# Altium PCB Main_Board.PcbDoc
Units mm, origin at the board's own origin, x right, y up, seen from the top; angles counter-clockwise.
Board outline 62 x 62 mm, 2 copper layers (Top Layer, Bottom Layer), stack 1.579 mm thick; 83 components, 60 nets, 316 pads, 54 vias.
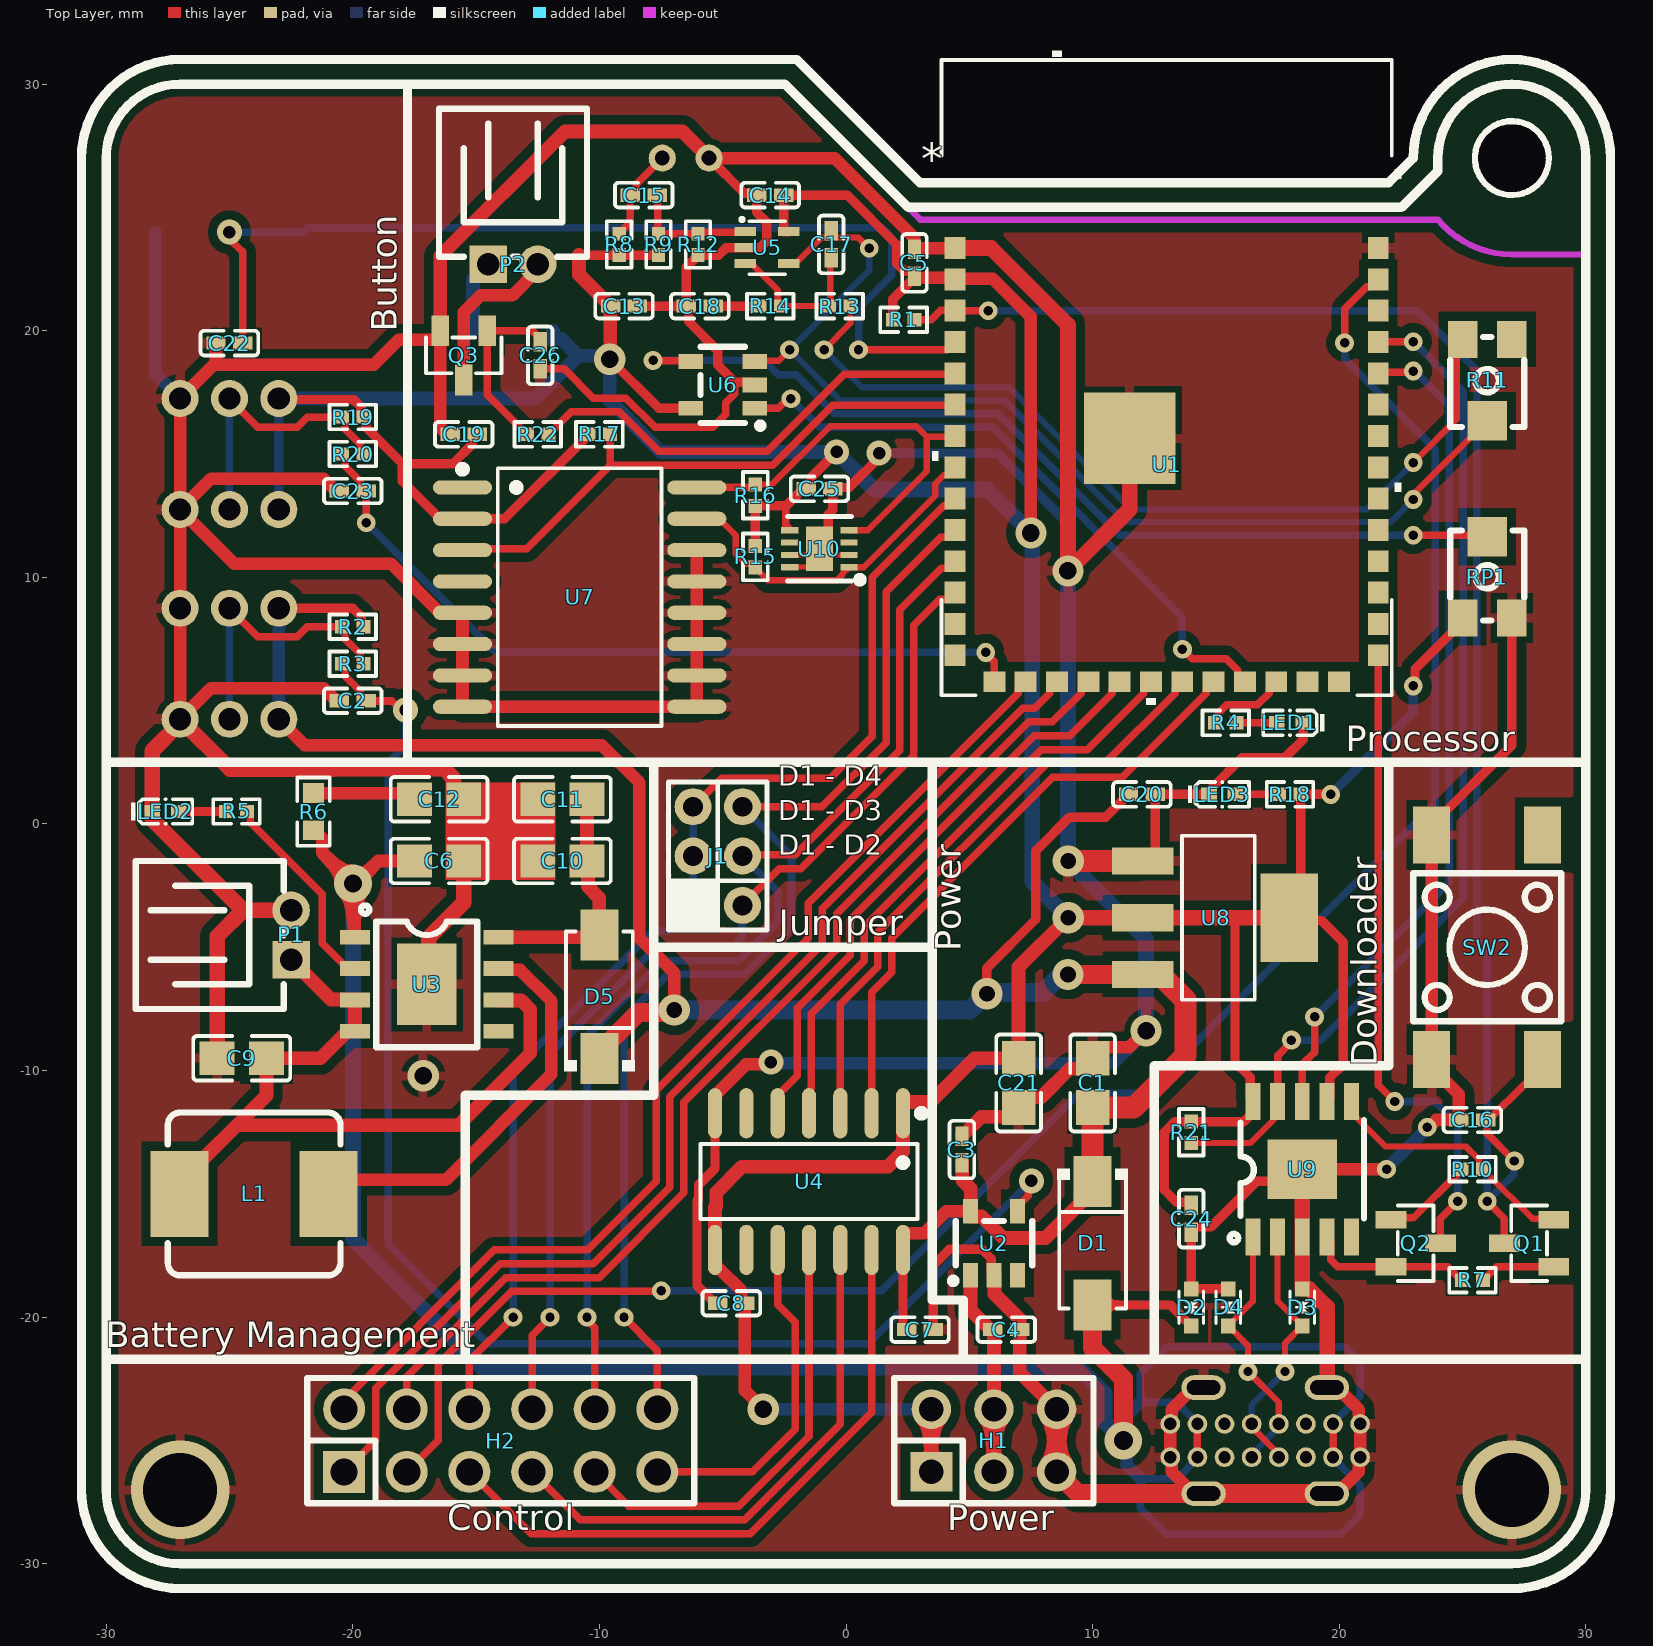
[diagram p0: Top Layer view]
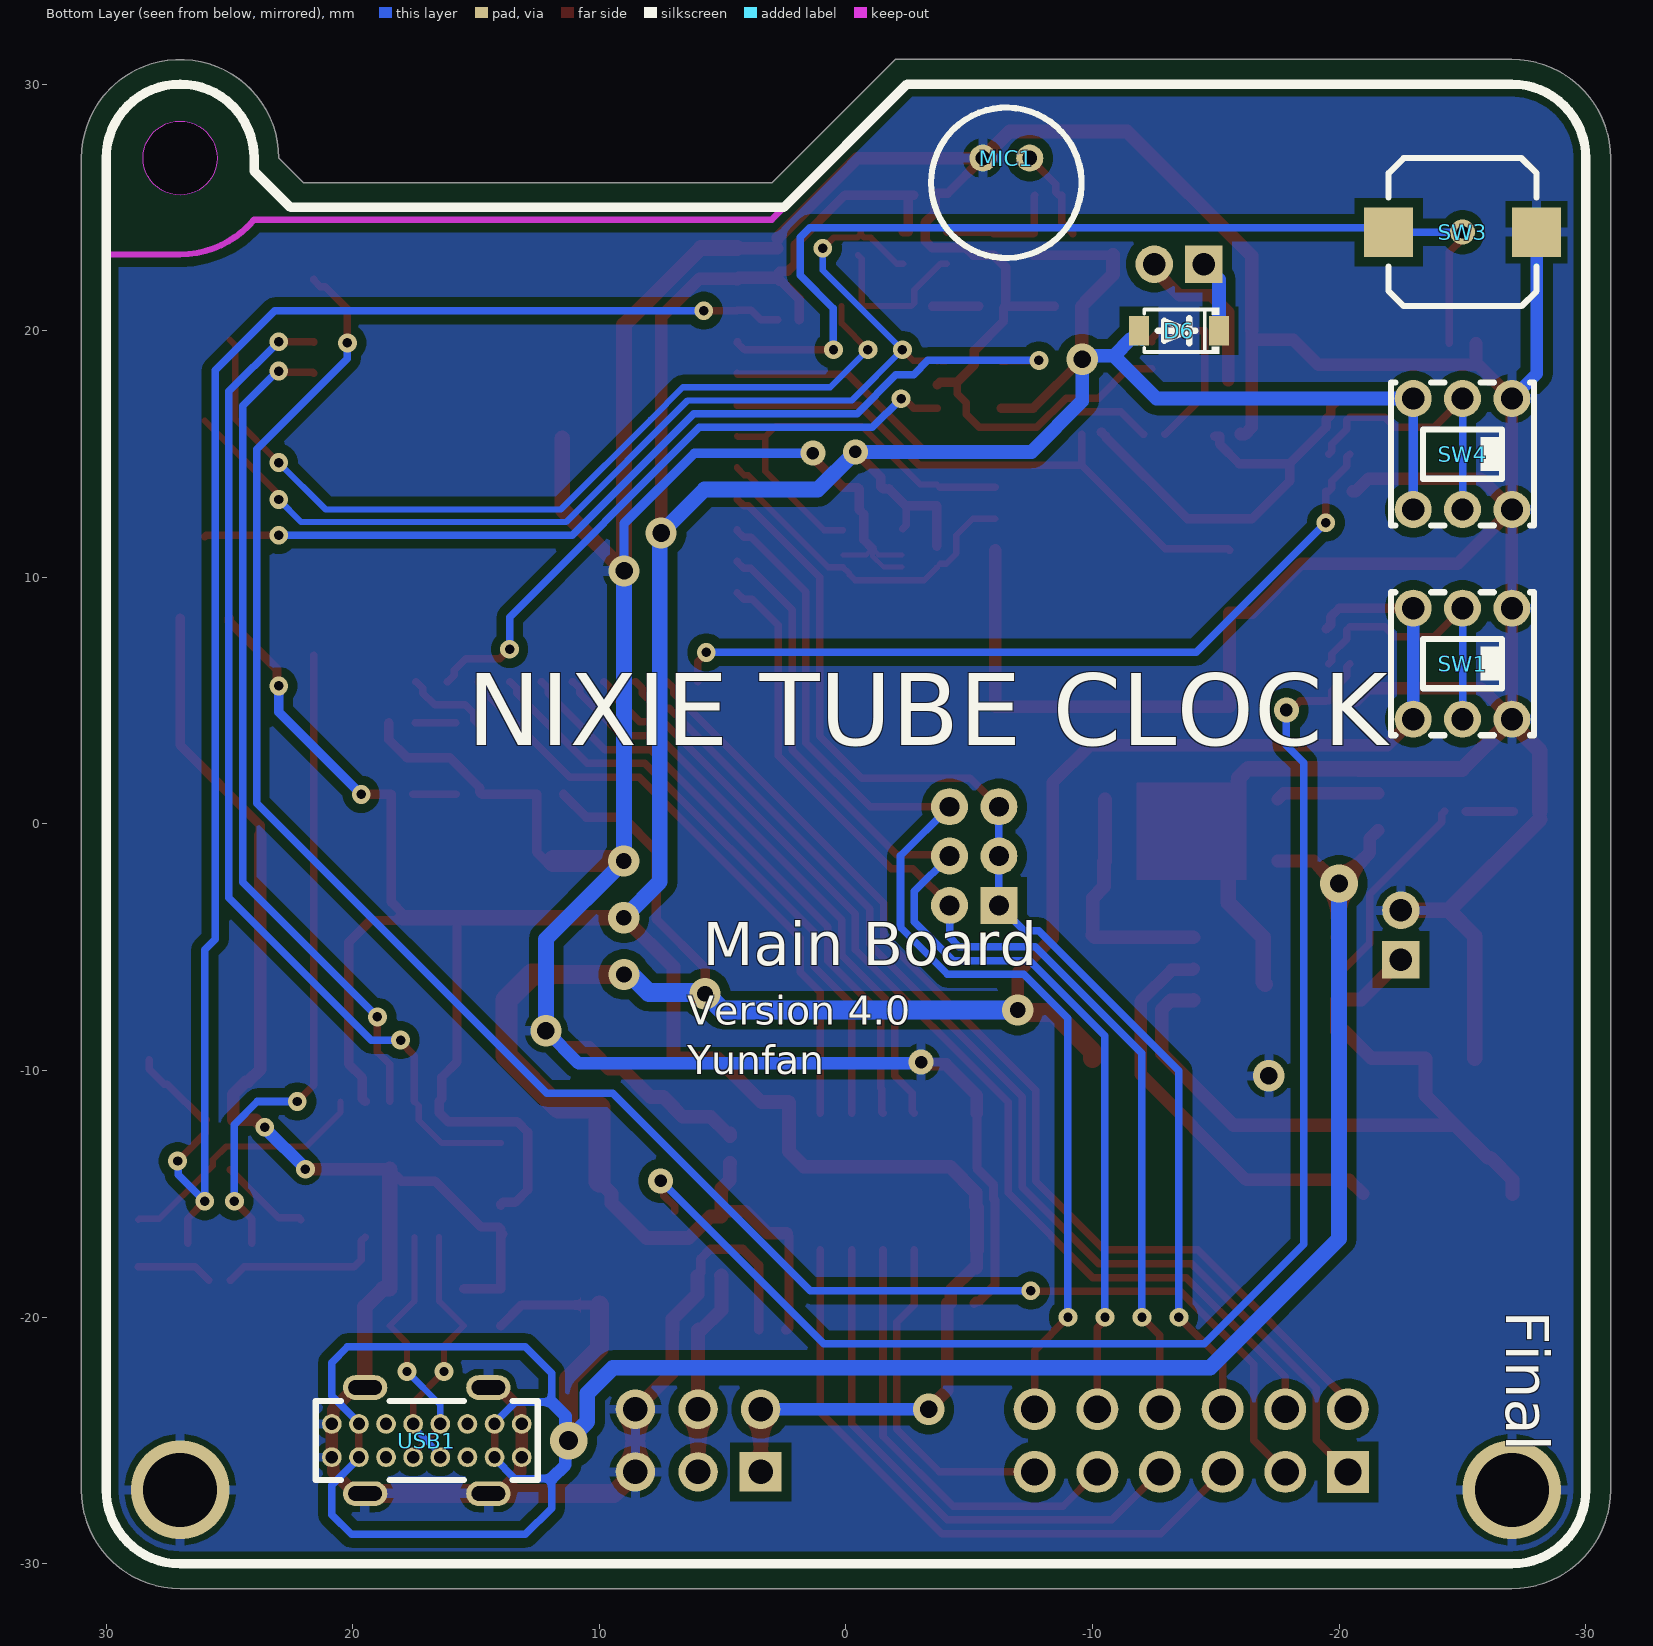
[diagram p1: Bottom Layer view, seen from below]
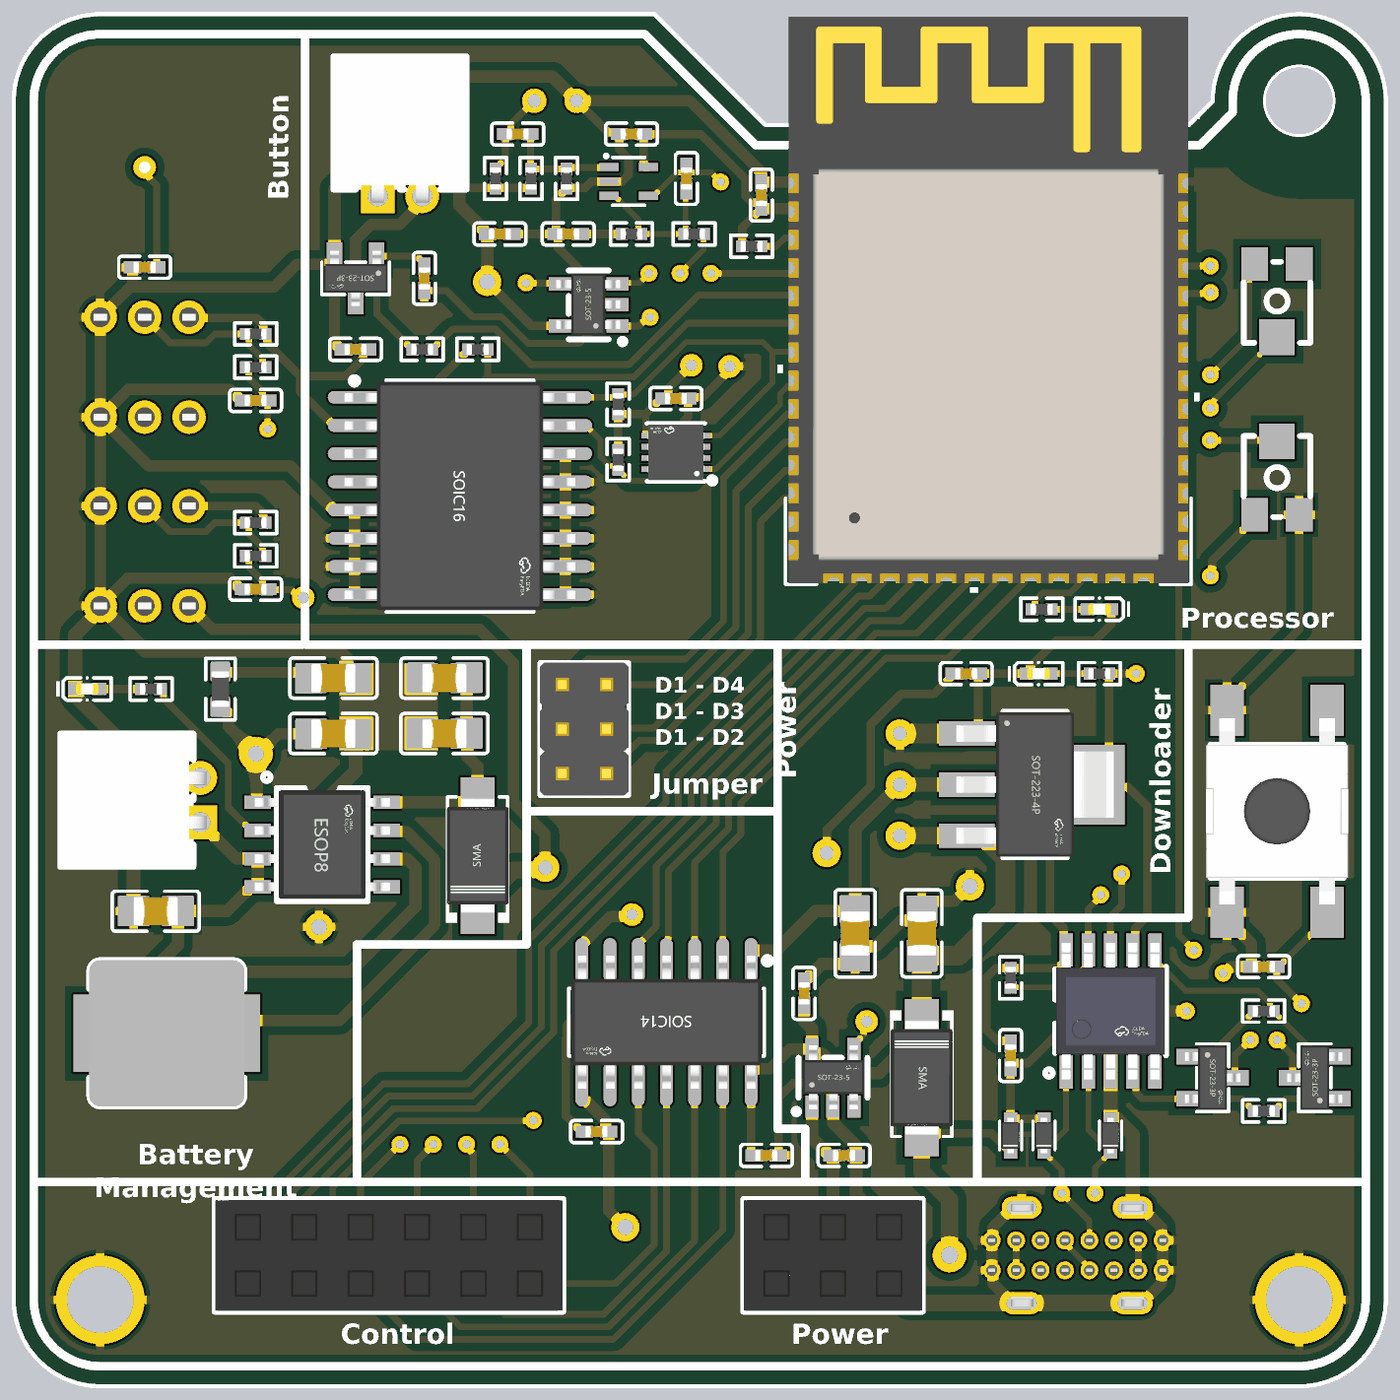
[diagram p2: 3D render of the assembled board from above, using the file's embedded part models]
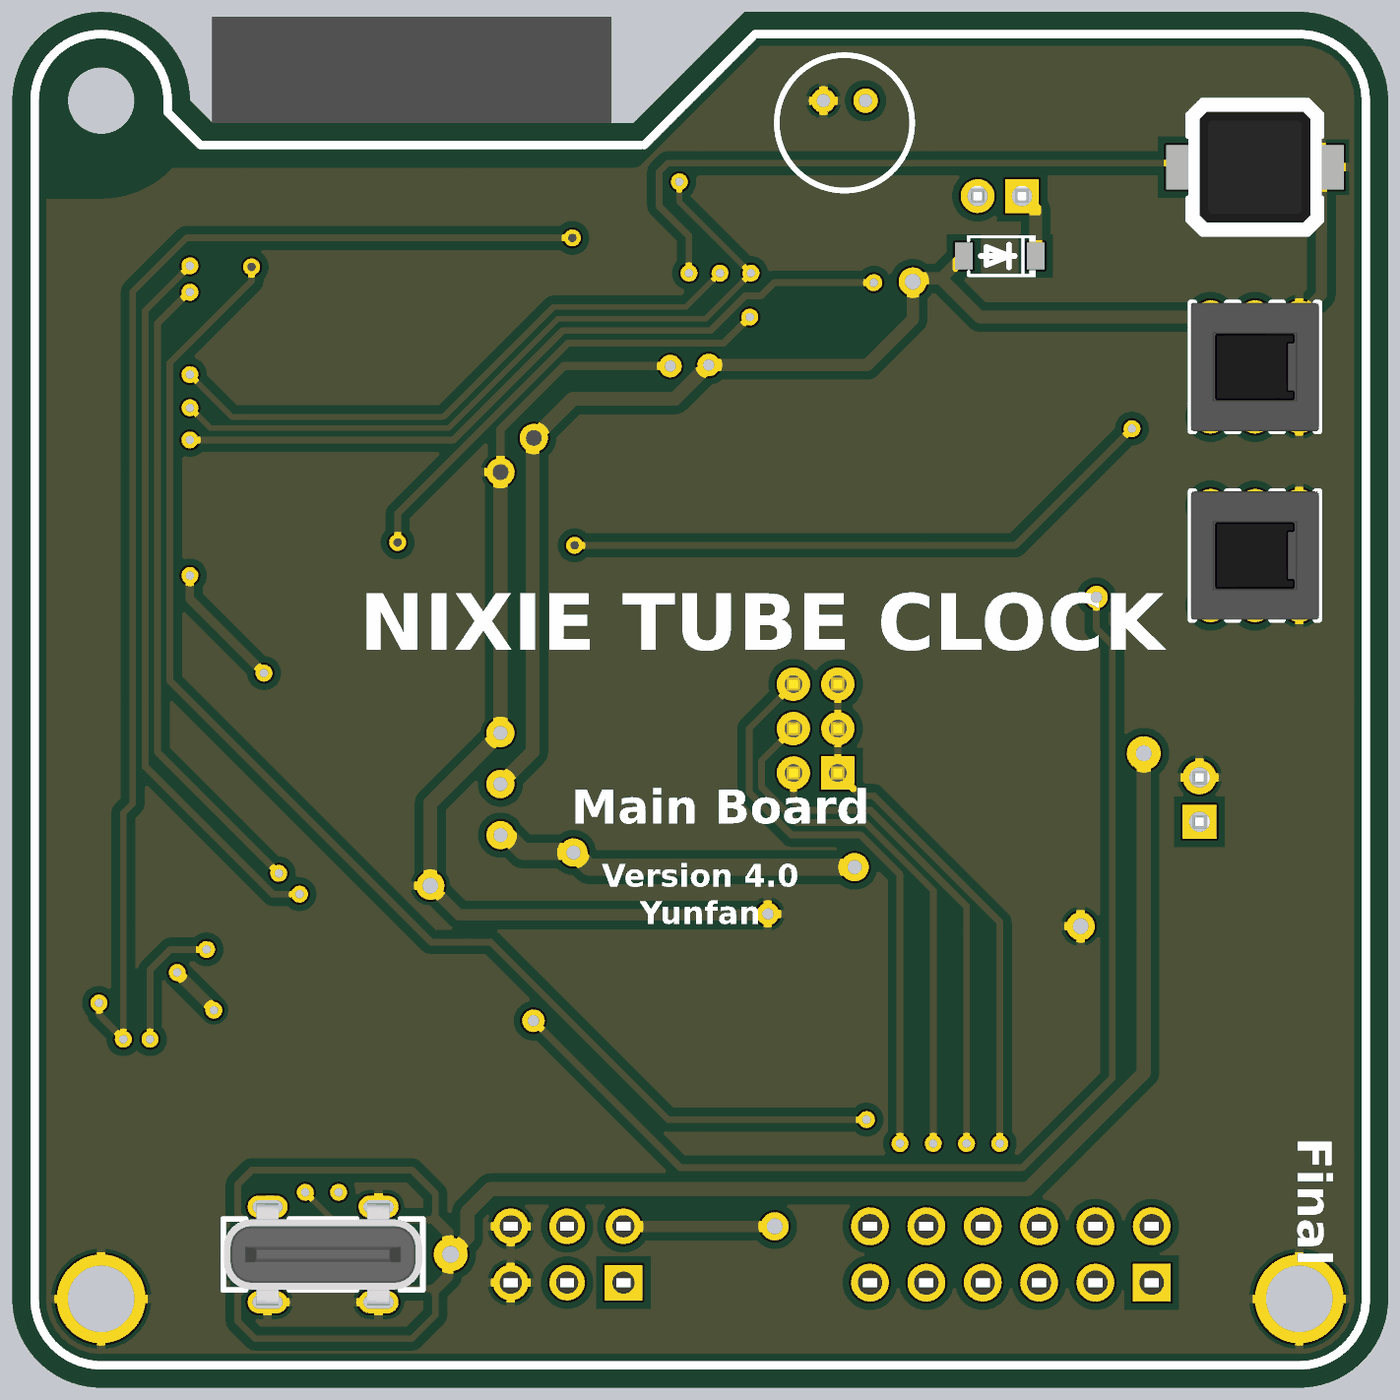
[diagram p3: 3D render of the assembled board from below, using the file's embedded part models]

## Layer stack, top to bottom
Top Solder: solder mask 0.0102, Solder Resist, Dk 3.5
Top Layer: signal copper 0.0356
Dielectric 1: dielectric 1.5081, FR-4, Dk 4.8
Bottom Layer: signal copper 0.0356
Bottom Solder: solder mask 0.0102, Solder Resist, Dk 3.5

## Board outline
-31,-27 ccw(c-27,-27) -27,-31 27,-31 ccw(c27,-27) 31,-27 31,27 ccw(c27,27) 23,27 22,26 3,26 -2,31 -27,31 ccw(c-27,27) -31,27
cut-out: 25.5,27 ccw(c27,27) 27,25.5 ccw(c27,27) 28.5,27 ccw(c27,27) 27,28.5 ccw(c27,27)

## Design rules (kind name [scope] priority, off if disabled: settings)
Clearance Polygen [InPolygon] p1: gap=0.381 ignorepadtopadclearanceinfootprint=FALSE
Clearance [All] p2: gap=0.254 ignorepadtopadclearanceinfootprint=FALSE except(0.127: Arc-Text Track-Text SMDPad-Text THPad-Text Via-Text Fill-Text Poly-Text Region-Text Text-Text)
DiffPairsRouting [All] p1: maxlimit=0.254 minlimit=0.152 mostfreqgap=0.254 toplayer_minwidth=0.254 toplayer_maxwidth=0.381 toplayer_prefwidth=0.381 bottomlayer_minwidth=0.254 bottomlayer_maxwidth=0.381 bottomlayer_prefwidth=0.381 maxuncoupledlength=12.7
PolygonConnect [All] p1: connectstyle=Relief reliefconductorwidth=0.381 reliefentries=4 polygonreliefangle="90 Angle" airgapwidth=0.254
RoutingVias [All] p1: holewidth=0.508 width=1.016 viastyle="Through Hole" minholewidth=0.381 minwidth=0.762 maxholewidth=0.914 maxwidth=1.778
SolderMaskExpansion [All] p1: expansion=0.102 istentingtop=FALSE
Width Power [(InNet('+5V') AND InNet('VIN') AND InNet('VBAT') AND InNet('GND'))] p1: maxlimit=0.762 minlimit=0.254 preferedwidth=0.508
Width uProcessor_Power [InNet('+3.3V')] p2: maxlimit=0.635 minlimit=0.254 preferedwidth=0.381 minimp=50.000000 maximp=50.000000 favimp=50.000000
29 further rules are at their usual default settings.

## Classes and differential pairs
differential pair D: +D_P -D_N

## Components (designator, comment, footprint, x,y, rotation, side; value= is the part's Value field where it differs from the comment)
C1 "10uF" C0805 10,-10.5 r270 top
C2 "100nF" C0402_NEW -20,5 r0 top
C3 "100nF" C0402_NEW 4.7,-13.2 r270 top
C4 "1uF" C0402 6.5,-20.5 r180 top
C5 "100nF" C0402_NEW 2.776,22.75 r270 top
C6 "10uF" C0805 -16.5,-1.5 r180 top
C7 "100nF" C0402_NEW 3,-20.5 r180 top
C8 "100nF" C0402_NEW -4.648,-19.431 r0 top
C9 "22uF" C0805 -24.5,-9.5 r0 top
C10 "22uF" C0805 -11.5,-1.5 r0 top
C11 "10uF" C0805 -11.5,1 r0 top
C12 "10uF" C0805 -16.5,1 r180 top
C13 "100nF" C0402_NEW -9,21 r180 top
C14 "100nF" C0402_NEW -3.075,25.5 r0 top
C15 "100nF" C0402_NEW -8.2,25.5 r180 top
C16 "100nF" C0402_NEW 25.4,-12 r0 top
C17 "100pF" C0402 -0.6,23.5 r270 top
C18 "1uF" C0402 -5.925,21 r0 top
C19 "100nF" C0402_NEW -15.5,15.8 r0 top
C20 "100nF" C0402_NEW 12,1.2 r180 top
C21 "10uF" C0805 7,-10.5 r90 top
C22 "100nF" C0402_NEW -25,19.5 r0 top
C23 "100nF" C0402_NEW -20,13.5 r0 top
C24 "100nF" C0402_NEW 14,-16 r90 top
C25 "100nF" C0402_NEW -1.076,13.589 r180 top
C26 "1uF" C0402 -12.4,19 r90 top
D1 "SS54_C22452" SMA_L4.4-W2.8-LS5.4-R-RD 10,-17 r270 top
D2 "LESD5D5.0CT1G" SOD-523_L1.2-W0.8-LS1.6-BI 14,-19.6 r270 top
D3 "LESD5D5.0CT1G" SOD-523_L1.2-W0.8-LS1.6-BI 18.5,-19.6 r270 top
D4 "LESD5D5.0CT1G" SOD-523_L1.2-W0.8-LS1.6-BI 15.5,-19.6 r270 top
D5 "SS54_C22452" SMA_L4.4-W2.8-LS5.4-R-RD -10,-7 r90 top
D6 "RB161M-20TR" SOD-123_L2.6-W1.6-LS3.5-RD-1 -13.5,20 r0 bottom
H1 "Header-Female-2.54_2x3" HDR-TH_6P-P2.54-V-F-R2-C3-S2.54 6,-25 r0 top
H2 "Header-Female-2.54_2x6" HDR-TH_12P-P2.54-V-F-R2-C6-S2.54 -14,-25 r0 top
J1 "Header-Male-2.00_2x3" HDR2.0-LI-2X3P -5.2,-1.3 r90 top
L1 "2.2uH" L_2.2UH -24,-15 r180 top
LED1 "SZYY0402B" LED0402-RD_BLUE 18,4.1 r180 top
LED2 "SZYY0402B" LED0402-RD_BLUE -27.589,0.508 r0 top
LED3 "SZYY0402B" LED0402-RD_BLUE 15.257,1.2 r0 top
MIC1 "Microphone" Microphone -6.5,26 r180 bottom locked
P1 "PH-2AW RHOS" CONN-TH_2P-P2.00_PH-2AW -22.5,-4.5 r90 top
P2 "PH-2AW RHOS" CONN-TH_2P-P2.00_PH-2AW -13.5,22.7 r0 top
Q1 "L8050QLT1G" SOT-23-3_L2.9-W1.3-P1.90-LS2.4-BR 27.7,-17 r0 top
Q2 "L8050QLT1G" SOT-23-3_L2.9-W1.3-P1.90-LS2.4-BR 23.1,-17 r180 top
Q3 "L8050QLT1G" SOT-23-3_L2.9-W1.3-P1.90-LS2.4-BR -15.5,19 r90 top
R1 "10K" R0402 2.336,20.447 r180 top
R2 "10K" R0402 -20,8 r0 top
R3 "3.3K" R0402 -20,6.5 r0 top
R4 "2kΩ" R0402 15.4,4.1 r0 top
R5 "2kΩ" R0402 -24.713,0.508 r0 top
R6 "2" R0603 -21.59,0.499 r270 top
R7 "10K" R0402 25.4,-18.5 r0 top
R8 "2.2kΩ" R0402 -9.2,23.5 r270 top
R9 "100K" R0402 -7.6,23.5 r270 top
R10 "10K" R0402 25.4,-14 r180 top
R11 "100kΩ" RES-ADJ-SMD_VG039NCH 26,18 r90 top
R12 "100K" R0402 -6,23.5 r90 top
R13 "10K" R0402 -0.254,21 r0 top
R14 "1K" R0402 -3.075,21 r0 top
R15 "4.7K" R0402 -3.676,10.832 r90 top
R16 "4.7K" R0402 -3.676,13.332 r270 top
R17 "10K" R0402 -10,15.8 r180 top
R18 "2kΩ" R0402 18,1.2 r180 top
R19 "10K" R0402 -20,16.5 r0 top
R20 "3.3K" R0402 -20,15 r0 top
R21 "4.7K" R0402 14,-12.5 r90 top
R22 "1K" R0402 -12.5,15.8 r180 top
RP1 "20K" RES-ADJ-SMD_VG039NCH 26,10 r270 top
SW1 "PS-5850A-6PL" SW-TH_6P-L5.8-W5.8-P2.00-LS4.5-BL -25,6.5 r180 bottom
SW2 "KH-6X6X5H-STM" SW-SMD_4P-L6.0-W6.0-P4.50-LS9.0-2 26,-5 r270 top
SW3 "Button" BUTTON -25,24 r0 bottom
SW4 "PS-5850A-6PL" SW-TH_6P-L5.8-W5.8-P2.00-LS4.5-BL -25,15 r180 bottom
U1 "ESP32-S3-WROOM-1-N8" ESP32-S3-WROOM-1-N8_EXP 13,18.1 r0 top
U2 "TPS2069CDBVR" SOT-23-5_L3.0-W1.7-P0.95-LS2.8-BR 6,-17 r270 top
U3 "IP5305T" ESOP-8_L4.9-W3.9-P1.27-LS6.0-BL-EP -17,-6.5 r270 top
U4 "TXS0104EDR" SOIC-14_L8.7-W3.9-P1.27-LS6.0-BL -1.5,-14.5 r180 top
U5 "MAX4466EXK+" SC-70-5_L2.0-W1.3-P0.65-LS2.2-BL -3.2,23.368 r270 top
U6 "TLV3201AIDBVR" SOT-23-5_L3.0-W1.7-P0.95-LS2.8-BR -5,17.805 r0 top
U7 "DS3231SN#" SOIC-16_L10.3-W7.5-P1.27-LS10.3-BL -10.8,9.2 r270 top
U8 "AMS1117-3.3" SOT-223-3_L6.5-W3.4-P2.30-LS7.0-BR 15,-3.8 r180 top
U9 "CH340K" ESOP-10_L4.9-W3.9-P1.00-LS6.2-BL-EP 18.5,-14 r0 top
U10 "SHT30-DIS-B10KS" DFN-8_L2.5-W2.5-P0.50-BL-EP -1.076,11.163 r90 top
USB1 "TYPE-C-31-D-09" USB-C-TH_TYPE-C-31-D-09 17,-25 r0 bottom

## Footprints (in the part's own frame and the unit in brackets; to place one, negate y for a bottom-side part, rotate by r counter-clockwise, add the part's x,y. Pads: shape width x height; smd on the part's side, far side on the other; paste and mask are expansions set on the pad)
BUTTON [mm]
  rect 2x2 smd: 1(-3,0) 2(3,0)
  silkscreen extent -3,-3 3,3, body extent -3,-3 3,3, height 2.5
C0402 [mm]
  rect 0.79x0.54 smd: 1(-0.545,0) 2(0.545,0)
  silkscreen extent -1.17,-0.5 1.17,0.5, body extent -0.5,-0.25 0.5,0.25, height 0.5
C0402_NEW [mm]
  rect 0.79x0.54 smd: 1(-0.545,0) 2(0.545,0)
  silkscreen extent -1.17,-0.5 1.17,0.5, body extent -0.5,-0.25 0.5,0.25, height 0.5
C0805 [mm]
  rect 1.41x1.35 smd: 1(-1,0) 2(1,0)
  silkscreen extent -1.96,-0.9 1.96,0.9, body extent -1,-0.65 1,0.65, height 1.3
CONN-TH_2P-P2.00_PH-2AW [mil]
  rect 60x60 hole 36: 1(-39.37,0)
  round 60 hole 36: 2(39.37,0)
  silkscreen extent -118,12 118,248, body extent -118,-12 118,248, height 185
DFN-8_L2.5-W2.5-P0.50-BL-EP [mm]
  rect 0.25x0.7 smd: 1(-0.75,-1.2) 2(-0.25,-1.2) 3(0.25,-1.2) 4(0.75,-1.2) 5(0.75,1.2) 6(0.25,1.2) 7(-0.25,1.2) 8(-0.75,1.2)
  rect 1.8x1.1 smd: 9(0,0)
  silkscreen extent -1.39,-1.77 1.3,1.3, body extent -1.25,-1.26 1.25,1.26, height 1.02
ESOP-8_L4.9-W3.9-P1.27-LS6.0-BL-EP [mm]
  rect 0.6x1.2 smd: 1(-1.905,-2.908) 2(-0.635,-2.908) 3(0.635,-2.908) 4(1.905,-2.908) 5(1.905,2.908) 6(0.635,2.908) 7(-0.635,2.908) 8(-1.905,2.908)
  rect 3.3x2.4 smd: 9(0,0)
  silkscreen extent -3.2,-2.67 2.55,2.05, body extent -2.45,-3.05 2.45,3.05, height 1.7
ESOP-10_L4.9-W3.9-P1.00-LS6.2-BL-EP [mm]
  rect 0.6x1.5 smd: 1(-2,-2.75) 2(-1,-2.75) 3(0,-2.75) 4(1,-2.75) 5(2,-2.75) 6(2,2.75) 7(1,2.75) 8(0,2.75) 9(-1,2.75) 10(-2,2.75)
  rect 2.8x2.4 smd: 11(0,0)
  silkscreen extent -2.94,-2.96 2.5,2, body extent -2.45,-3.08 2.45,3.08, height 1.45
ESP32-S3-WROOM-1-N8_EXP [mil]
  rect 33x35 smd paste+0 mask+0: 1(-337.83,206.84) 2(-337.83,156.84) 3(-337.83,106.84) 4(-337.83,56.84) 5(-337.83,6.84) 6(-337.83,-43.16) 7(-337.83,-93.16) 8(-337.83,-143.16) 9(-337.83,-193.16) 10(-337.83,-243.16) 11(-337.83,-293.16) 12(-337.83,-343.16) 13(-337.83,-393.16) 14(-337.83,-443.16) 27(337.83,-443.16) 28(337.83,-393.16) 29(337.83,-343.16) 30(337.83,-293.16) 31(337.83,-243.16) 32(337.83,-193.16) 33(337.83,-143.16) 34(337.83,-93.16) 35(337.83,-43.16) 36(337.83,6.84) 37(337.83,56.84) 38(337.83,106.84) 39(337.83,156.84) 40(337.83,206.84)
  rect 35x33 smd paste+0 mask+0: 15(-275,-485.47) 16(-225,-485.47) 17(-175,-485.47) 18(-125,-485.47) 19(-75,-485.47) 20(-25,-485.47) 21(25,-485.47) 22(75,-485.47) 23(125,-485.47) 24(175,-485.47) 25(225,-485.47) 26(275,-485.47)
  rect 146x146 smd paste-72.5 mask+0: 41(-58.89,-96.88)
  silkscreen extent -374,-522 374,522, body extent -354,-505 354,499, height 122
HDR2.0-LI-2X3P [mm] "直插，脚距：2.0mm"
  rect 1.5x1.5 hole 0.8: 1(-2,1)
  round 1.5 hole 0.8: 2(-2,-1) 3(0,1) 4(0,-1) 5(2,1) 6(2,-1)
  silkscreen extent -3,-2 3,2, body extent -3,-2 3,2, height 6.5
HDR-TH_6P-P2.54-V-F-R2-C3-S2.54 [mm]
  rect 1.7x1.6 hole 1: 1(-2.54,-1.27)
  round 1.6 hole 1: 2(-2.54,1.27) 3(0,-1.27) 4(0,1.27) 5(2.54,-1.27) 6(2.54,1.27)
  silkscreen extent -4.04,-2.54 4.04,2.54, body extent -4.01,-2.5 4.02,2.5, height 8.5
HDR-TH_12P-P2.54-V-F-R2-C6-S2.54 [mm]
  rect 1.7x1.7 hole 1.1: 1(-6.35,-1.27)
  round 1.7 hole 1.1: 2(-6.35,1.27) 3(-3.81,-1.27) 4(-3.81,1.27) 5(-1.27,-1.27) 6(-1.27,1.27) 7(1.27,-1.27) 8(1.27,1.27) 9(3.81,-1.27) 10(3.81,1.27) 11(6.35,-1.27) 12(6.35,1.27)
  silkscreen extent -7.85,-2.54 7.85,2.54, body extent -7.82,-2.5 7.83,2.5, height 8.4
L_2.2UH [mm]
  rect 2.35x3.5 smd: 1(-3.025,0) 2(3.025,0)
  silkscreen extent -3.5,-3.3 3.5,3.3, body extent -3.5,-3.3 3.5,3.3, height 3
LED0402-RD_BLUE [mm]
  rect 0.636x0.54 smd: 1(-0.538,0) 2(0.538,0)
  silkscreen extent -1.39,-0.54 1.09,0.54, body extent -0.51,-0.25 0.51,0.26, height 0.21
Microphone [mm]
  round 1.1 hole 0.6: 1(0.95,1) 2(-0.95,1)
  silkscreen extent -3.05,-3.05 3.05,3.05
R0402 [mm]
  rect 0.566x0.54 smd: 1(-0.433,0) 2(0.433,0)
  silkscreen extent -0.94,-0.5 0.94,0.5, body extent -0.5,-0.25 0.5,0.25, height 0.5
R0603 [mm]
  rect 0.806x0.864 smd: 1(-0.753,0) 2(0.753,0)
  silkscreen extent -1.39,-0.66 1.39,0.66, body extent -0.8,-0.4 0.8,0.4, height 0.8
RES-ADJ-SMD_VG039NCH [mm]
  rect 1.5x1.2 smd: 1(1.65,-1) 3(1.65,1)
  rect 1.6x1.6 smd: 2(-1.65,0)
  silkscreen extent -1.9,-1.5 1.75,1.5
SC-70-5_L2.0-W1.3-P0.65-LS2.2-BL [mm]
  rect 0.364x0.866 smd: 1(-0.65,-0.883) 2(0,-0.883) 3(0.65,-0.883) 4(0.65,0.883) 5(-0.65,0.883)
  silkscreen extent -1.22,-1.09 1.08,0.73
SMA_L4.4-W2.8-LS5.4-R-RD [mm]
  rect 2.063x1.539 smd: 1(2.504,0) 2(-2.504,0)
  silkscreen extent -3.03,-1.43 2.65,1.43, body extent -2.6,-1.4 2.6,1.4, height 2.1
SOD-123_L2.6-W1.6-LS3.5-RD-1 [mm]
  rect 0.8x1.2 smd: 1(-1.621,0) 2(1.621,0)
  silkscreen extent -1.63,-0.94 1.41,0.94
SOD-523_L1.2-W0.8-LS1.6-BI [mm]
  rect 0.6x0.6 smd: 1(-0.75,0) 2(0.75,0)
  silkscreen extent -0.65,-0.5 0.65,0.5, body extent -0.8,-0.4 0.8,0.4, height 0.71
SOIC-14_L8.7-W3.9-P1.27-LS6.0-BL [mm]
  oval 0.574x2.038 smd: 1(-3.81,-2.769) 2(-2.54,-2.769) 3(-1.27,-2.769) 4(0,-2.769) 5(1.27,-2.769) 6(2.54,-2.769) 7(3.81,-2.769) 8(3.81,2.769) 9(2.54,2.769) 10(1.27,2.769) 11(0,2.769) 12(-1.27,2.769) 13(-2.54,2.769) 14(-3.81,2.769)
  silkscreen extent -4.7,-2.92 4.4,1.52, body extent -4.3,-3 4.3,3, height 2
SOIC-16_L10.3-W7.5-P1.27-LS10.3-BL [mm]
  oval 0.574x2.401 smd: 1(-4.445,-4.75) 2(-3.175,-4.75) 3(-1.905,-4.75) 4(-0.635,-4.75) 5(0.635,-4.75) 6(1.905,-4.75) 7(3.175,-4.75) 8(4.445,-4.75) 9(4.445,4.75) 10(3.175,4.75) 11(1.905,4.75) 12(0.635,4.75) 13(-0.635,4.75) 14(-1.905,4.75) 15(-3.175,4.75) 16(-4.445,4.75)
  silkscreen extent -5.33,-4.9 5.23,3.32, body extent -5.15,-5.2 5.15,5.2, height 2.85